# Altium PCB тройничок.PcbDoc (part 2 of 5)
Units mm, origin at the board's own origin, x right, y up, seen from the top; angles counter-clockwise.
Board outline 158.1 x 53.48 mm, 4 copper layers (Top Layer 1, Top Layer, Bottom Layer, Bottom Layer 1), stack 0.603 mm thick; 336 components, 130 nets, 2093 pads, 689 vias.
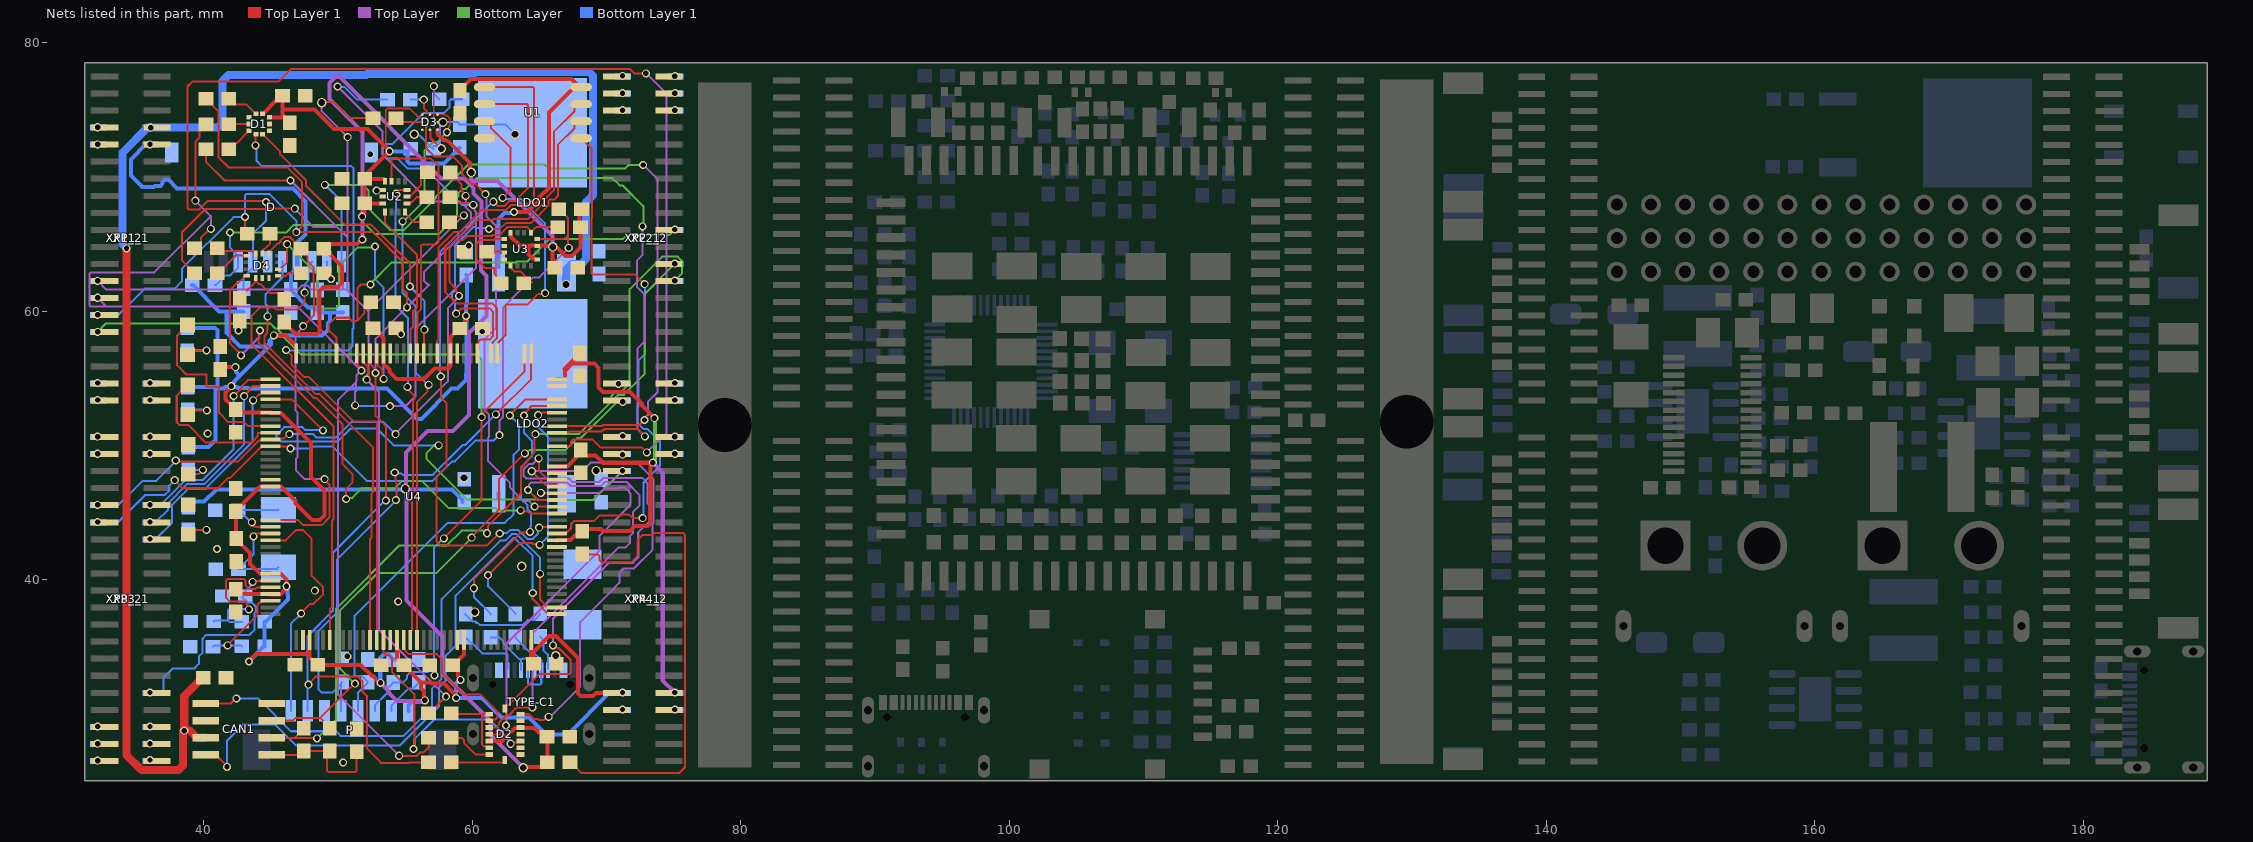
[diagram p4: the nets of this part, all layers, seen from the top]

## Via types
v1: diameter 0.6, hole 0.4, Top Layer 1 to Bottom Layer 1, 394 vias
v2: diameter 0.7, hole 0.5, Top Layer 1 to Bottom Layer 1, 186 vias
v3: diameter 0.8, hole 0.6, Top Layer 1 to Bottom Layer 1, 108 vias
v4: diameter 0.6, hole 0.3, Top Layer 1 to Bottom Layer 1, 1 vias

## Nets (pads, with @x,y where several pads share a name; then routed paths per layer and width w, separated by ;. In a path a pad name is that pad's centre, name@x,y a point inside that pad or via, vN(x,y) a via of type N, cw(c..) or ccw(c..) an arc to the next point about the centre after c; other vN are vias at no path point)
3V3: C2.2 C9.2 C10.2 C11.2 C14.2 C15.2 C16.2 C17.2 C18.2 C19.2 C20.2 C21.2 C22.2 C24.2 C28.2 C33.2 C38.1 D.4 LDO1.3 P.1 R18.1 R19.2 R20.2 R21.2 R26.2 R27.2 R28.2 R29.1 R30.1 R31.1 R32.1 R33.2 U1.8@68.125,76.705 U4.6 U4.17 U4.30 U4.33 U4.39 U4.52 U4.62 U4.72 U4.84 U4.95 U4.108 U4.121 U4.131 U4.144 XP1_1.9 XP1_1.10 XP1_2.9 XP1_2.10 XP4_1.31 XP4_1.32 XP4_2.31 XP4_2.32 | length 296
  Top Layer 1 w0.3: C38.1@41.25,55.7 41.392,55.842 v1(42.361,55.842) ; v1(42.069,54.43) 42.069,54.377 41.641,53.949 41.641,53.451 41.992,53.1 42.05,53.1 42.4,52.75 C9.2@42.4,52.7 42.65,52.45 U4.6@44.98,52.45 44.99,52.44 45.769,52.44 48.016,50.193 48.016,47.651 49,46.667 49,44.801 48.649,44.45 48.1,44.45 47.926,44.624 46.847,45.703 46.847,45.862 45.769,46.94 U4.17@45.565,46.94 ; C14.2@42.4,39.3 42.75,38.949 U4.33@44.925,38.949 ; C10.2@42.4,45.1 42.425,45.075 42.425,43.025 43.458,41.992 43.458,41.193 44.191,40.46 44.97,40.46 44.99,40.44 45.769,40.44 46.175,40.034 v1(46.175,39.525) 46.118,39.468 46.118,39.309 45.734,38.925 U4.33@44.925,38.925 ; C10.2@42.4,45.15 44.19,46.94 44.97,46.94 U4.17@44.98,46.95 ; v1@43.4,33.975 43.9,34.475 47.624,34.475 47.674,34.525 47.9,34.525 ; v1(45.228,58.207) 45.238,58.217 46.128,58.217 46.9,57.445 U4.144@46.9,56.87 ; U4.39@47.9,35.53 47.9,34.525 ; C24.2@52.675,58.75 53.4,58.025 U4.131@53.4,56.87 53.41,56.86 53.41,56.081 53.834,55.657 53.834,55.492 54.351,54.975 56.36,54.975 56.47,55.085 56.541,55.085 57.206,55.75 58.224,55.75 58.4,55.926 58.4,56.975 U4.121@58.375,57 ; v1(53.175,32.325) 53.114,32.325 52.614,32.825 52.551,32.825 51.701,33.675 48.45,33.675 47.9,34.225 47.9,34.525 ; U4.52@54.4,35.53 54.4,34.1 54.875,33.625 C21.2@54.925,33.625 54.975,33.625 55.325,33.275 55.325,33.225 56.2,32.35 ; v1(56.475,31.025) 56.418,31.082 56.418,31.708 56.2,31.926 56.2,32.35 ; U4.121@58.4,57 58.4,58.1 59.025,58.725 59.125,58.725 59.475,59.075 59.475,59.517 59.546,59.588 v1(59.546,59.669) ; C22.2@58.55,33.625 C22.2@58.6,33.625 ; v1@58.775,31.2 58.775,31.434 57.917,32.291 56.96,32.291 56.901,32.35 56.2,32.35 ; v1@59.075,32.675 59.08,32.68 59.08,32.69 58.95,32.821 58.95,33.275 C22.2@58.6,33.625 ; C2.2@59.1,76.45 59.1,76.5 59.905,77.305 67.395,77.305 U1.8@67.995,76.705 ; U4.62@59.4,35.53 59.4,34.425 C22.2@58.6,33.625 ; v1(63.124,67.4) 64.125,67.4 65,68.275 65,68.473 65.719,69.192 65.719,74.799 67.625,76.705 U1.8@67.995,76.705 ; U4.72@64.4,35.53 64.4,33.925 C15.2@64.575,33.75 64.575,34.638 65.739,35.802 66.261,35.802 67.89,34.173 67.89,31.526 68.066,31.35 68.991,31.35 69.231,31.59 XP4_1.31@70.75,31.59 XP4_1.31@71.285,31.59 ; U4.84@66.32,42.95 66.33,42.96 67.336,42.96 C16.2@68.101,43.724 ; U4.95@66.32,48.45 66.33,48.46 67.109,48.46 67.75,49.101 67.75,49.325 C17.2@68.1,49.675 68.1,49.625 68.45,49.275 69.196,49.275 69.746,48.725 v1@73.4,48.725 ; U4.108@66.32,54.95 66.895,54.95 66.905,54.96 66.905,55.554 67.451,56.1 69.099,56.1 69.417,55.782 69.417,54.323 69.736,54.005 71.764,54.005 72.641,53.128 72.641,52.984 v1(73.575,52.05) ; 66.87,55.695 68.025,56.85 C18.2@68.025,56.9 ; U1.8@68.125,76.705 U1.8@67.995,76.705 ; C16.2@68.2,43.625 68.375,43.8 69.591,43.8 69.741,43.65 71.131,43.65 71.759,43.65 72.109,44 73.084,44 73.3,44.216 73.3,48.489 73.407,48.596 73.407,48.693 v1@73.4,48.7
  Top Layer w0.3: v1(53.175,32.325) 53.827,31.673 53.827,31.572 54.422,30.977 56.427,30.977 v1(56.475,31.025) ; v1@73.5,48.8 73.5,48.7 74.2,48 74.2,32.519 v1(75.105,31.615)
  Bottom Layer w0.3: v1(73.575,52.05) 73.616,52.009 v1@73.616,48.967
  Bottom Layer 1 w0.3: XP1_2.10@36.025,72.45 35.705,72.45 34.575,71.32 34.575,70.106 35.431,69.25 35.731,69.25 36.269,69.25 36.374,69.355 36.774,69.355 36.95,69.531 36.95,69.629 37.126,69.805 37.374,69.805 38.029,69.15 46.65,69.15 47.6,68.2 47.6,65.741 46.975,65.116 D.4@46.975,63.7 46.975,63.25 46.5,62.775 C33.2@46.5,61.625 46.5,61.575 47.775,60.3 48.25,60.3 R32.1@48.575,59.975 ; R26.2@38.775,58.775 40.849,58.775 41.025,58.599 41.025,54.375 ; R27.2@38.825,54.375 40.9,54.375 ; R33.2@38.85,49.9 40.375,49.9 40.9,50.425 40.9,54.25 41.469,54.25 41.592,54.373 42.012,54.373 v1(42.069,54.43) ; R30.1@39.15,61.95 39.2,61.95 41.15,60 41.6,60 ; v1@42.4,55.775 42.4,55.475 42.68,55.195 ; R29.1@42.975,60 41.6,60 ; v1(43.379,33.918) 43.379,33.929 44.475,35.025 R28.2@44.525,35.025 ; R28.2@44.55,35.05 R18.1@44.55,36.875 44.6,36.875 46.275,38.55 46.275,38.85 46.232,38.893 46.232,39.468 v1(46.175,39.525) ; 45.018,57.718 45.018,57.533 42.68,55.195 ; v1@45.113,58.188 48.813,58.188 49.25,58.625 49.25,59.13 49.412,59.293 49.412,59.9 ; v1(45.228,58.207) 45.228,58.126 44.925,57.823 44.925,57.625 44.7,57.4 42.726,57.4 41.725,58.401 41.725,59.875 41.6,60 ; R32.1@48.575,59.9 49.412,59.9 ; R31.1@50.375,59.925 50.35,59.9 49.412,59.9 ; v1(53.175,32.325) 53.158,32.342 53.158,34.183 53.4,34.425 53.775,34.425 54.15,34.05 R20.2@54.15,34.025 ; P.1@55.25,30.25 55.25,30.65 55.5,30.9 56.269,30.9 56.394,31.025 v1(56.475,31.025) ; v1@59.125,32.6 58.813,32.288 v1(58.813,31.202) 60.748,31.202 62.199,29.751 64.249,29.751 65.5,28.5 67.15,28.5 70.25,31.6 XP4_2.31@71.2,31.6 ; v1(59.546,59.669) 59.546,60.49 59.625,60.569 59.625,62.65 C28.2@59.575,62.7 ; v1@59.572,59.643 59.572,55.349 59.552,55.329 59.552,54.88 58.922,54.25 58.475,54.25 56.225,52 55.9,52 53.65,54.25 43.299,54.25 43.263,54.285 42.562,54.285 42.474,54.373 42.142,54.373 42.127,54.388 42.127,54.569 42.311,54.752 42.311,54.826 42.68,55.195 ; LDO1.3@61.95,63.3 61.95,66.864 62.428,67.343 63.067,67.343 v1(63.124,67.4)
  other v1: 71.205,31.615 59.138,32.552 73.465,48.735 32.105,72.445 36.005,72.445
3V3_SEN: C3.2 C4.2 C12.2 C13.2 C23.2 C25.2 C29.2 C31.2 C32.2 C37.2 D1.1 D1.10 D2.3 D2.11 D3.B2 D3.E5 LDO2.3 R6.2 R7.2 R35.2 R38.2 R42.2 U2.5@53.35,68.05 U2.8@53.5,69.7 U3.2@64.85,64.875 U3.4@64.85,63.875 U3.13@62.875,65.85 | length 183.6
  Top Layer 1 w0.125: v1@53.825,72.125 53.562,72.388 53.562,74.988 53.687,75.113 55.362,75.113 56.1,74.375 D3.B2@56.575,74.375
  Top Layer 1 w0.3: D1.1@44.4,74.715 44.415,74.715 45.4,75.7 45.525,75.7 C12.2@45.875,76.05 45.875,75.025 ; D1.10@44.915,74.45 C13.2@46.075,74.45 ; R42.2@46,59.2 46,59.15 46.85,58.3 48.449,58.3 48.625,58.476 48.625,61.5 48.932,61.807 50.007,61.807 50.325,62.125 50.325,63.35 R38.2@49.075,64.6 ; C13.2@46.575,73.925 46.575,73.95 45.875,74.65 45.875,75.025 ; R38.2@48.95,64.675 49.3,65.025 51.419,65.025 51.744,65.35 v1(51.825,65.35) ; v1@52,67.25 C4.2@52,68.05 ; U2.5@53.35,68.05 53.25,68.05 C4.2@52,68.05 ; U2.8@53.5,69.7 53.5,69.8 53.425,69.875 C3.2@52,69.875 ; v1@53.8,71.975 52.2,73.575 49.722,73.575 48.272,75.025 45.875,75.025 ; v1@53.825,71.925 53.825,71.9 52,70.075 C3.2@52,69.875 ; D3.E5@57.424,73.526 57.424,73.304 57.526,73.094 57.857,72.763 57.969,72.763 58.276,72.624 59.858,71.042 59.858,70.424 v2(59.935,70.348) ; D2.11@61.4,28.025 61.4,28.02 61.42,28 62.221,28 63.01,28.789 63.01,28.799 63.186,28.975 64.625,28.975 64.95,28.65 65.225,28.65 C23.2@65.575,28.3 ; U3.13@62.875,65.674 62.9,65.649 62.9,65.551 63.551,64.9 64.2,64.9 ; v2@63.875,26.075 65.25,26.075 C25.2@65.6,26.425 C23.2@65.6,28.3 ; U3.4@64.85,63.875 64.712,63.875 64.662,63.925 64.526,63.925 64.2,64.251 64.2,64.9 ; U3.2@64.85,64.9 64.2,64.9 ; U3.2@65,64.9 65.4,64.9 65.423,64.877 v2@65.873,64.877 ; v2(66,64.8) 66,63.825 C37.2@66.175,63.65 ; v2@66.188,64.888 66.951,64.125 67.449,64.125 68.075,64.751 R6.2@68.075,66.275 ; R6.2@68,66.5 68,67.45 R7.2@68.15,67.6 ; C4.2@52,68.05 C3.2@52,69.875
  Top Layer w0.3: v1(51.825,65.35) 51.825,73.375 49.385,75.815 49.385,76.999 49.862,77.476 50.111,77.476 57.686,69.9 59.4,69.9 59.6,69.7 ; v2@55.075,46.85 55.075,49.475 56.689,51.089 58.589,51.089 59.779,52.279 59.779,58.375 61.058,59.654 61.058,62.642 60.66,63.04 60.66,67.429 60.685,67.454 60.685,68.183 60.1,68.768 60.1,69.2 59.6,69.7 ; v2@55.125,46.8 55.125,38.475 57.8,35.8 57.8,33.041 59.039,31.802 59.061,31.802 61.372,29.491 61.372,28.428 63.7,26.1 v2@63.7,26 ; 59.9,69.7 59.6,69.7 ; v2(59.935,70.348) 59.935,69.7 61.882,69.7 65.982,65.6 65.982,64.818 v2(66,64.8)
  Bottom Layer 1 w0.3: R35.2@38.85,45.425 38.85,45.475 39.2,45.825 40.026,45.825 40.943,46.743 v2@54.968,46.743 ; v1(53.85,71.925) C32.2@55.225,71.925 ; v2@55.025,46.743 58.507,46.743 59.3,45.95 C31.2@59.3,45.8 ; C32.2@55.425,72.125 C32.2@55.225,71.925 ; C29.2@59.075,72.175 57.9,71 55.351,71 55.175,71.176 55.175,71.875 C32.2@55.225,71.925 ; LDO2.3@61.977,46.145 LDO2.3@61.977,46.428
  other v1: 51.813,67.052
  other v2: 63.8,26 55.025,46.8
4V2: 
5V: C27.2 C30.2 C36.1 CAN1.3 LDO1.1 LDO2.1 VD1.2 XP1_1.7 XP1_1.8 XP1_2.7 XP1_2.8 XP4_1.33 XP4_1.34 XP4_2.33 XP4_2.34 | length 114.5
  Top Layer 1 w0.6: v1(34.258,64.691) 34.258,26.941 35.364,25.835 38.124,25.835 38.475,26.186 v1@38.475,28.7 ; v1(38.56,28.775) 38.56,31.36 39.875,32.675 C36.1@39.875,32.725 ; 38.969,28.775 39.504,28.24 CAN1.3@40.161,28.24
  Bottom Layer 1 w0.6: v1@34.25,64.725 33.975,65 33.975,71.84 35.825,73.69 v1(36.05,73.69) 41.059,73.69 41.41,74.041 41.41,77.149 41.861,77.6 52.1,77.6 52.2,77.7 60.134,77.7 60.249,77.815 68.751,77.815 69.015,77.551 69.015,69.423 69.015,68.649 68.5,68.134 68.5,63.891 68.149,63.539 67.44,63.539 67,63.099 v2(67,62)
  other v1: 71.205,30.345 75.105,30.345 32.105,73.715
GND: C1.1 C2.1 C3.1 C4.1 C5.1 C7.1 C8.1 C9.1 C10.1 C11.1 C12.1 C13.1 C14.1 C15.1 C16.1 C17.1 C18.1 C19.1 C20.1 C21.1 C22.1 C23.1 C24.1 C25.1 C26.1 C27.1 C28.1 C29.1 C30.1 C31.1 C32.1 C33.1 C34.1 C35.1 C36.2 C37.1 C38.2 CAN1.2 CAN1.8 D1.3 D1.8 D1.9 D2.2 D2.4 D2.6 D2.7 D3.A1 D3.C5 D3.E1 D3.E3 D4.6 D4.7 D.6 D.S1 D.S2 HL3.2@38.85,50.075 HL4.2@38.85,45.6 LDO1.2 LDO2.2 P.6 R14.1 R17.2 R25.2 R34.1 R36.2 R37.2 U1.4@60.925,72.895 U2.6@53.35,68.55 U2.7@53.35,69.05 U3.9@62.4,63.875 U3.11@62.4,64.875 U4.16 U4.38 U4.51 U4.61 U4.83 U4.94 U4.107 U4.120 U4.130 XP1_1.37 XP1_1.38 XP1_1.39 XP1_1.40 XP1_2.37 XP1_2.38 XP1_2.39 XP1_2.40 XP2_1.1 XP2_1.2 XP2_1.3 XP2_1.4 XP2_1.5 XP2_1.6 XP2_1.37 XP2_1.38 XP2_1.39 XP2_1.40 XP2_2.1 XP2_2.2 XP2_2.3 XP2_2.4 XP2_2.5 XP2_2.6 XP2_2.37 XP2_2.38 XP2_2.39 XP2_2.40 XP3_1.1 XP3_1.2 XP3_1.3 XP3_1.4 XP3_1.35 XP3_1.36 XP3_1.37 XP3_1.38 XP3_1.39 XP3_1.40 XP3_2.1 XP3_2.2 XP3_2.3 XP3_2.4 XP3_2.35 XP3_2.36 XP3_2.37 XP3_2.38 XP3_2.39 XP3_2.40 XP4_1.1 XP4_1.2 XP4_1.3 XP4_1.4 XP4_2.1 XP4_2.2 XP4_2.3 XP4_2.4 | length 53.9
  Top Layer 1 w0.15: D3.E3@56.9,73.525 56.9,72.913 v2(57.7,72.113) ; C25.1@67.375,26.4 68.175,25.6 75.412,25.6 75.875,26.063 75.875,43.338 75.724,43.49 73.576,43.49 73.412,43.325 72.683,43.325 72.325,42.967 72.325,41.782 71.843,41.3 69.657,41.3 69.507,41.45 69.507,41.75 69.357,41.9 68.225,41.9 C16.1@68.2,41.925
  Bottom Layer 1 w0.15: v2(55.7,73.2) 55.799,73.101 56.099,73.101 57.075,72.125 C32.1@57.125,72.125 ; C32.1@57.1,72.3 57.35,72.3 57.6,72.55 57.6,73.716 57.825,73.941 v2(57.825,74.09) ; v2@57.858,74.058 57.89,74.09 58.91,74.09 C29.1@59.075,73.925 62.475,73.925 v2(63.2,73.2) ; R17.2@59.525,37.45 59.525,37.4 60.023,36.902 60.298,36.902 60.3,36.9 ; 60.3,36.8 60.409,36.8 60.559,36.65 63.793,36.65 64.143,37 64.65,37 65.075,37.425 R14.1@65.075,37.475
  other v1: 50.391,26.393 32.105,26.535 36.005,26.585 32.105,27.805 36.005,27.805 32.105,29.075 36.005,29.075 57.2,32.891 50.7,34.3 54.491,38.393 48.291,39.193 41,42.3 71.205,49.325 32.105,49.395 36.005,49.395 75.105,49.395 32.105,50.665 36.005,50.665 75.105,50.665 71.209,50.713 40.3,50.9 71.221,53.255 32.105,53.395 36.005,53.395 75.105,53.395 70.9,54.605 32.105,54.665 36.005,54.665 75.105,54.665 54.7,58.3 60.752,58.5 42.6,58.575 49.489,62.407 44.475,63.4 59.76,64.9 52.891,68.993 52.425,71.693 71.205,74.985 75.105,74.985 71.205,76.255 75.105,76.255 75.105,77.525 71.205,77.542
  other v2: 66.225,34.345 60.2,37.6 63.7,41 59.4,47.6 69.25,48.143
NetC1_2: C1.2 CAN1.5 R1.2 R2.2 | length 9.7
  Top Layer 1 w0.15: CAN1.5@45.089,26.97 47.17,26.97 R2.2@47.45,27.25 R1.2@49.4,27.25 49.2,27.05 49.2,25.788 49.288,25.7 51.312,25.7 51.4,25.788 C1.2@51.4,27.2
NetC5_2: C5.2 U3.10@62.4,64.375 | length 1.3
  Top Layer 1 w0.15: C5.2@61.1,64.45 62.275,64.45 62.35,64.375 U3.10@62.4,64.375
NetC6_1: C6.1 U3.12@62.4,65.375 | length 6.2
  Top Layer 1 w0.15: C6.1@62.2,62.2 61.775,62.625 61.775,62.675 61.659,62.791 61.659,63.216 60.966,63.216 60.325,63.857 60.325,65.043 60.596,65.315 61.602,65.315 61.662,65.375 U3.12@62.4,65.375
NetC6_2: C6.2 U3.8@62.875,63.4 | length 2.2
  Top Layer 1 w0.15: U3.8@62.875,63.4 62.95,63.325 62.95,63.157 63.132,62.975 63.6,62.975 64.425,62.15 64.475,62.15
NetC7_2: C7.2 U4.24 Y1.2 | length 7
  Top Layer 1 w0.15: v1@43.875,43.45 U4.24@44.98,43.45
  Bottom Layer 1 w0.15: C7.2@42.6,40.8 C7.2@42.65,40.8 ; v1(43.716,43.243) 43.716,41.916 43.075,41.275 43.075,41.225 C7.2@42.65,40.8 ; Y1.2@45.575,40.925 45.45,40.8 C7.2@42.65,40.8
NetC8_2: C8.2 U4.23 Y1.1 | length 5.9
  Top Layer 1 w0.15: v1@43.525,44.275 43.85,43.95 U4.23@44.98,43.95
  Bottom Layer 1 w0.15: C8.2@42.575,45.2 C8.2@42.625,45.2 ; v1(43.591,44.293) 43.532,44.293 C8.2@42.625,45.2 ; Y1.1@45.575,45.225 45.55,45.2 C8.2@42.625,45.2
NetC26_2: C26.2 R18.2 U4.32 | length 12
  Top Layer 1 w0.15: v1(43.368,37.8) 43.282,37.886 43.282,38.145 43.206,38.221 43.206,38.269 43.1,38.375 41.957,38.375 41.675,38.657 41.675,39.943 41.807,40.075 42.993,40.075 43.125,39.943 43.125,39.575 43.376,39.324 43.867,39.324 43.993,39.45 U4.32@44.98,39.45
  Bottom Layer 1 w0.15: C26.2@40.75,36.9 40.813,36.963 41.825,36.963 ; R18.2@42.85,36.875 41.913,36.875 41.825,36.963 ; v1(43.368,37.8) 43.337,37.831 41.913,37.831 41.825,37.743 41.825,36.963
NetC34_2: C34.2 D4.5 R42.1 | length 4.6
  Top Layer 1 w0.15: C34.2@42.7,60.975 42.7,61.025 43.125,61.45 43.885,62.21 D4.5@43.885,62.477 ; 43.944,62.182 44.1,62.025 44.269,62.025 44.919,61.375 45.575,61.375 46,60.95 R42.1@46,60.9
NetC35_2: C35.2 D4.8 | length 1.8
  Top Layer 1 w0.15: D4.8@45.537,62.65 46.125,62.65 46.325,62.85 C35.2@47.275,62.85
NetCAN1_1: CAN1.1 U4.74 | length 42
  Top Layer 1 w0.15: CAN1.1@40.161,30.78 42.005,30.78 v1@42.375,31.15 ; v1(65.066,40.443) 65.066,38.532 65.512,38.085 65.59,38.085 65.725,37.95 U4.74@66.32,37.95
  Bottom Layer 1 w0.15: v1(42.441,31.168) 44.064,31.168 46.507,28.725 49.866,28.725 50.211,28.38 54.898,28.38 57,30.482 57,31.9 57.725,32.625 57.725,38.568 62.082,42.925 62.456,42.925 62.941,43.41 63.314,43.41 64.19,42.534 65.066,41.659 v1(65.066,40.443)
NetCAN1_4: CAN1.4 U4.73 | length 44.2
  Top Layer 1 w0.15: CAN1.4@40.161,26.97 40.885,26.97 v1@41.675,26.18 ; v1@64.45,39 64.45,38.647 65.512,37.585 65.59,37.585 65.725,37.45 U4.73@66.32,37.45
  Bottom Layer 1 w0.15: v1(41.741,26.068) 41.741,28.009 42.942,29.21 45.344,29.21 46.905,27.65 54.592,27.65 57.535,30.593 57.535,32.011 58.025,32.501 58.025,34.35 58.775,35.1 58.775,38.819 63.066,43.11 63.19,43.11 64.516,41.784 v1(64.516,39.018)
NetCAN1_6: CAN1.6 R2.1 XP2_1.26 XP2_2.26 | length 59.7
  Top Layer 1 w0.15: CAN1.6@45.089,28.24 46.79,28.24 ; R2.1@47.45,28.95 47.45,28.9 46.79,28.24 ; v1(48.45,28.2) 48.41,28.24 46.79,28.24 ; v1(61.112,43.473) 61.172,43.532 61.172,43.998 63.641,46.466 63.641,48.395 64.427,49.181 64.427,49.27 64.65,49.493 v1@64.65,50.85
  Bottom Layer w0.15: v1(48.45,28.2) 49.875,29.625 49.875,37.849 54.593,42.568 58.108,42.568 59.216,43.675 60.875,43.675 v1@61.075,43.475 ; v1(64.71,50.85) 67.95,50.85 70.396,53.296 70.396,53.72 70.756,54.08 71.18,54.08 71.73,54.63 71.73,61.647 74.162,64.08 75.322,64.08 75.63,63.772 75.63,62.81 75.22,62.4 v1@75.05,62.4
  other v1: 75.105,62.285
NetCAN1_7: CAN1.7 R1.1 XP2_1.24 XP2_2.24 | length 55
  Top Layer 1 w0.15: CAN1.7@45.089,29.51 46.642,29.51 46.857,29.725 48.675,29.725 ; R1.1@49.4,28.95 49.4,29 48.675,29.725 ; v1(51.275,32.275) 51.225,32.275 48.675,29.725 ; v1@59.9,43.15 61.987,45.237 61.987,47.484 v1(63.924,49.421)
  Bottom Layer w0.15: v1@51.225,32.35 51.2,32.35 50.175,33.375 50.175,37.725 52.955,40.505 57.315,40.505 v1(59.96,43.15) ; v1(63.924,49.421) 64.046,49.421 64.309,49.684 66.964,49.684 67.83,50.55 68.074,50.55 70.696,53.172 70.696,53.596 70.88,53.78 71.304,53.78 72.825,55.301 72.825,61.258 75.105,63.537 v1(75.105,63.555)
NetD1_2: D1.2 R8.2 | length 2.5
  Top Layer 1 w0.15: R8.2@41.875,75.825 42.3,75.4 43.2,75.4 43.885,74.715 D1.2@43.9,74.715
NetD1_4: D1.4 R9.2 | length 1.5
  Top Layer 1 w0.15: R9.2@41.875,73.95 D1.4@43.385,73.95
NetD1_5: D1.5 R10.2 | length 2.1
  Top Layer 1 w0.15: R10.2@41.875,72.075 42.3,72.5 42.42,72.5 43.37,73.45 D1.5@43.385,73.45
NetD1_6: D1.6 U4.49 | length 53.5
  Top Layer 1 w0.15: v1(43.866,72.368) 43.883,72.385 43.883,73.168 D1.6@43.9,73.185 ; v1(46.145,57.122) 46.535,56.732 46.535,56.062 47.472,55.125 47.824,55.125 51.149,51.8 52.812,51.8 52.928,51.684 52.928,43.951 52.9,43.923 U4.49@52.9,35.53
  Bottom Layer 1 w0.15: v1@43.8,72.35 43.95,72.2 43.95,71.2 44.325,70.825 51.012,70.825 51.175,70.662 51.175,58.745 51.1,58.67 51.1,57.424 50.743,57.068 46.2,57.068 v1(46.145,57.122)
NetD1_7: D1.7 U4.125 | length 22.5
  Top Layer 1 w0.15: D1.7@44.4,73.185 44.415,73.185 45.7,71.9 45.7,71.692 47.625,69.767 47.625,69.357 50.516,66.466 52.484,66.466 55.375,63.574 v1(55.375,61.85) ; U4.125@56.4,56.87 56.4,58.625 56.423,58.625 v1(56.441,58.643)
  Bottom Layer 1 w0.15: v1(55.375,61.85) 56.441,60.784 v1(56.441,58.643) 56.441,58.634 v1@56.45,58.625
NetD2_1: D2.1 U4.92 | length 36
  Top Layer 1 w0.15: D2.1@63.605,30 64.243,30 64.593,29.65 64.922,29.65 65.022,29.55 65.328,29.55 65.578,29.8 v1(65.7,29.8) ; v1@64.482,48.051 65.518,47.015 66.255,47.015 U4.92@66.32,46.95
  Top Layer w0.15: v1(64.441,48.093) 68.19,48.093 68.822,48.725 72.308,48.725 73.525,47.508 73.525,44.258 73.45,44.183 73.45,42.25 72.048,40.848 71.278,40.848 70.97,40.54 70.97,39.783 70.625,39.438 70.625,39.425 68.05,36.85 68.05,32.04 65.81,29.8 v1(65.7,29.8)
NetD2_5: D2.5 U4.50 | length 19.5
  Top Layer 1 w0.15: U4.50@53.4,35.53 53.4,34.57 53.576,34.394 53.824,34.394 54.025,34.193 54.025,33.157 55.7,31.482 55.7,27.461 v1(55.639,27.4) ; v1(62.876,27.795) 62.998,27.795 63.103,27.9 63.505,27.9 D2.5@63.605,28
  Bottom Layer 1 w0.15: v1(55.639,27.4) 55.7,27.461 55.7,28.118 57.182,29.6 61.275,29.6 62.554,28.321 62.554,28.215 62.876,27.893 v1(62.876,27.795)
NetD2_8: D2.8 R11.2 | length 4.1
  Top Layer 1 w0.15: R11.2@58.45,26.4 62.34,26.4 62.44,26.5 D2.8@62.44,26.585
NetD2_9: D2.9 R13.2 | length 3.5
  Top Layer 1 w0.15: R13.2@58.45,28.225 59.225,28.225 59.4,28.05 59.4,27.845 60.245,27 D2.9@61.275,27
NetD2_10: D2.10 D2.15 R12.1 | length 5.8
  Top Layer 1 w0.15: R12.1@58.45,30.075 58.525,30 60.7,30 ; D2.10@61.275,27.5 61.175,27.6 60.887,27.6 60.755,27.732 60.755,29.945 60.7,30 ; D2.15@61.275,30 60.7,30
NetD2_12: D2.12 U4.91 | length 31
  Top Layer 1 w0.15: D2.12@61.275,28.5 62.1,28.5 62.262,28.662 62.262,28.767 62.524,29.029 v1(62.524,29.151) ; v1(65.126,46.487) 65.145,46.469 66.301,46.469 U4.91@66.32,46.45
  Top Layer w0.15: v1(62.524,29.151) 62.56,29.187 62.56,35.26 69.5,42.2 69.5,43.3 71.8,45.6 71.8,46.417 71.7,46.517 71.7,46.566 71.392,46.874 70.958,46.874 70.884,46.8 69.837,46.8 69.524,46.487 v1(65.126,46.487)
NetD2_13: D2.13 U4.90 | length 35.1
  Top Layer 1 w0.15: D2.13@61.275,29 61.795,29 61.999,29.204 61.999,29.369 62.525,29.895 62.712,29.895 63.317,30.5 v1@64.425,30.5 ; v1@64.1,46.675 64.183,46.675 64.908,45.95 U4.90@66.32,45.95
  Top Layer w0.15: v1@64.175,46.775 64.252,46.852 64.252,47.121 64.398,47.268 64.782,47.268 67.064,47.268 67.331,47 69.612,47 69.912,47.3 71.502,47.3 72.463,46.339 72.463,45.53 72,45.067 72,43.5 71.775,43.275 71.775,42.762 71.438,42.425 70.925,42.425 64.485,35.985 v1(64.485,30.5)
  other v1: 64.166,46.693
NetD2_14: D2.14 U4.53 | length 11.3
  Top Layer 1 w0.15: U4.53@54.9,35.53 54.9,34.935 55.035,34.8 55.035,34.722 55.287,34.47 57.373,34.47 57.775,34.068 57.775,33.032 59.337,31.47 60.593,31.47 61.875,30.188 61.875,29.736 61.739,29.6 61.375,29.6 D2.14@61.275,29.5
NetD2_16: D2.16 U4.93 | length 39.2
  Top Layer 1 w0.15: D2.16@62.44,30.415 62.44,30.535 62.54,30.635 62.66,30.635 65,32.975 67.237,32.975 67.325,33.063 67.325,34.068 66.473,34.92 66.346,34.92 66.147,35.12 v1(66.025,35.12) ; v1(64.952,49.053) 64.975,49.03 64.975,48.122 65.582,47.515 66.255,47.515 U4.93@66.32,47.45
  Top Layer w0.15: v1(64.952,49.053) 64.537,48.638 64.244,48.638 63.825,48.219 63.825,47.775 64.032,47.568 64.658,47.568 67.188,47.568 67.455,47.3 69.488,47.3 69.788,47.6 72.662,47.6 73.05,47.212 73.05,45.692 73.225,45.517 73.225,44.383 72.375,43.533 72.375,41.675 71.975,41.275 70.199,41.275 66.025,37.101 v1(66.025,35.12)